# Altium PCB 58.13.0093_400_Rev00.PcbDoc (part 1 of 3)
Units mm, origin at the board's own origin, x right, y up, seen from the top; angles counter-clockwise.
Board outline 40 x 62.5 mm, 4 copper layers (Top Layer, Mid-Layer 1, Mid-Layer 2, Bottom Layer), stack 1.701 mm thick; 173 components, 104 nets, 583 pads, 329 vias.
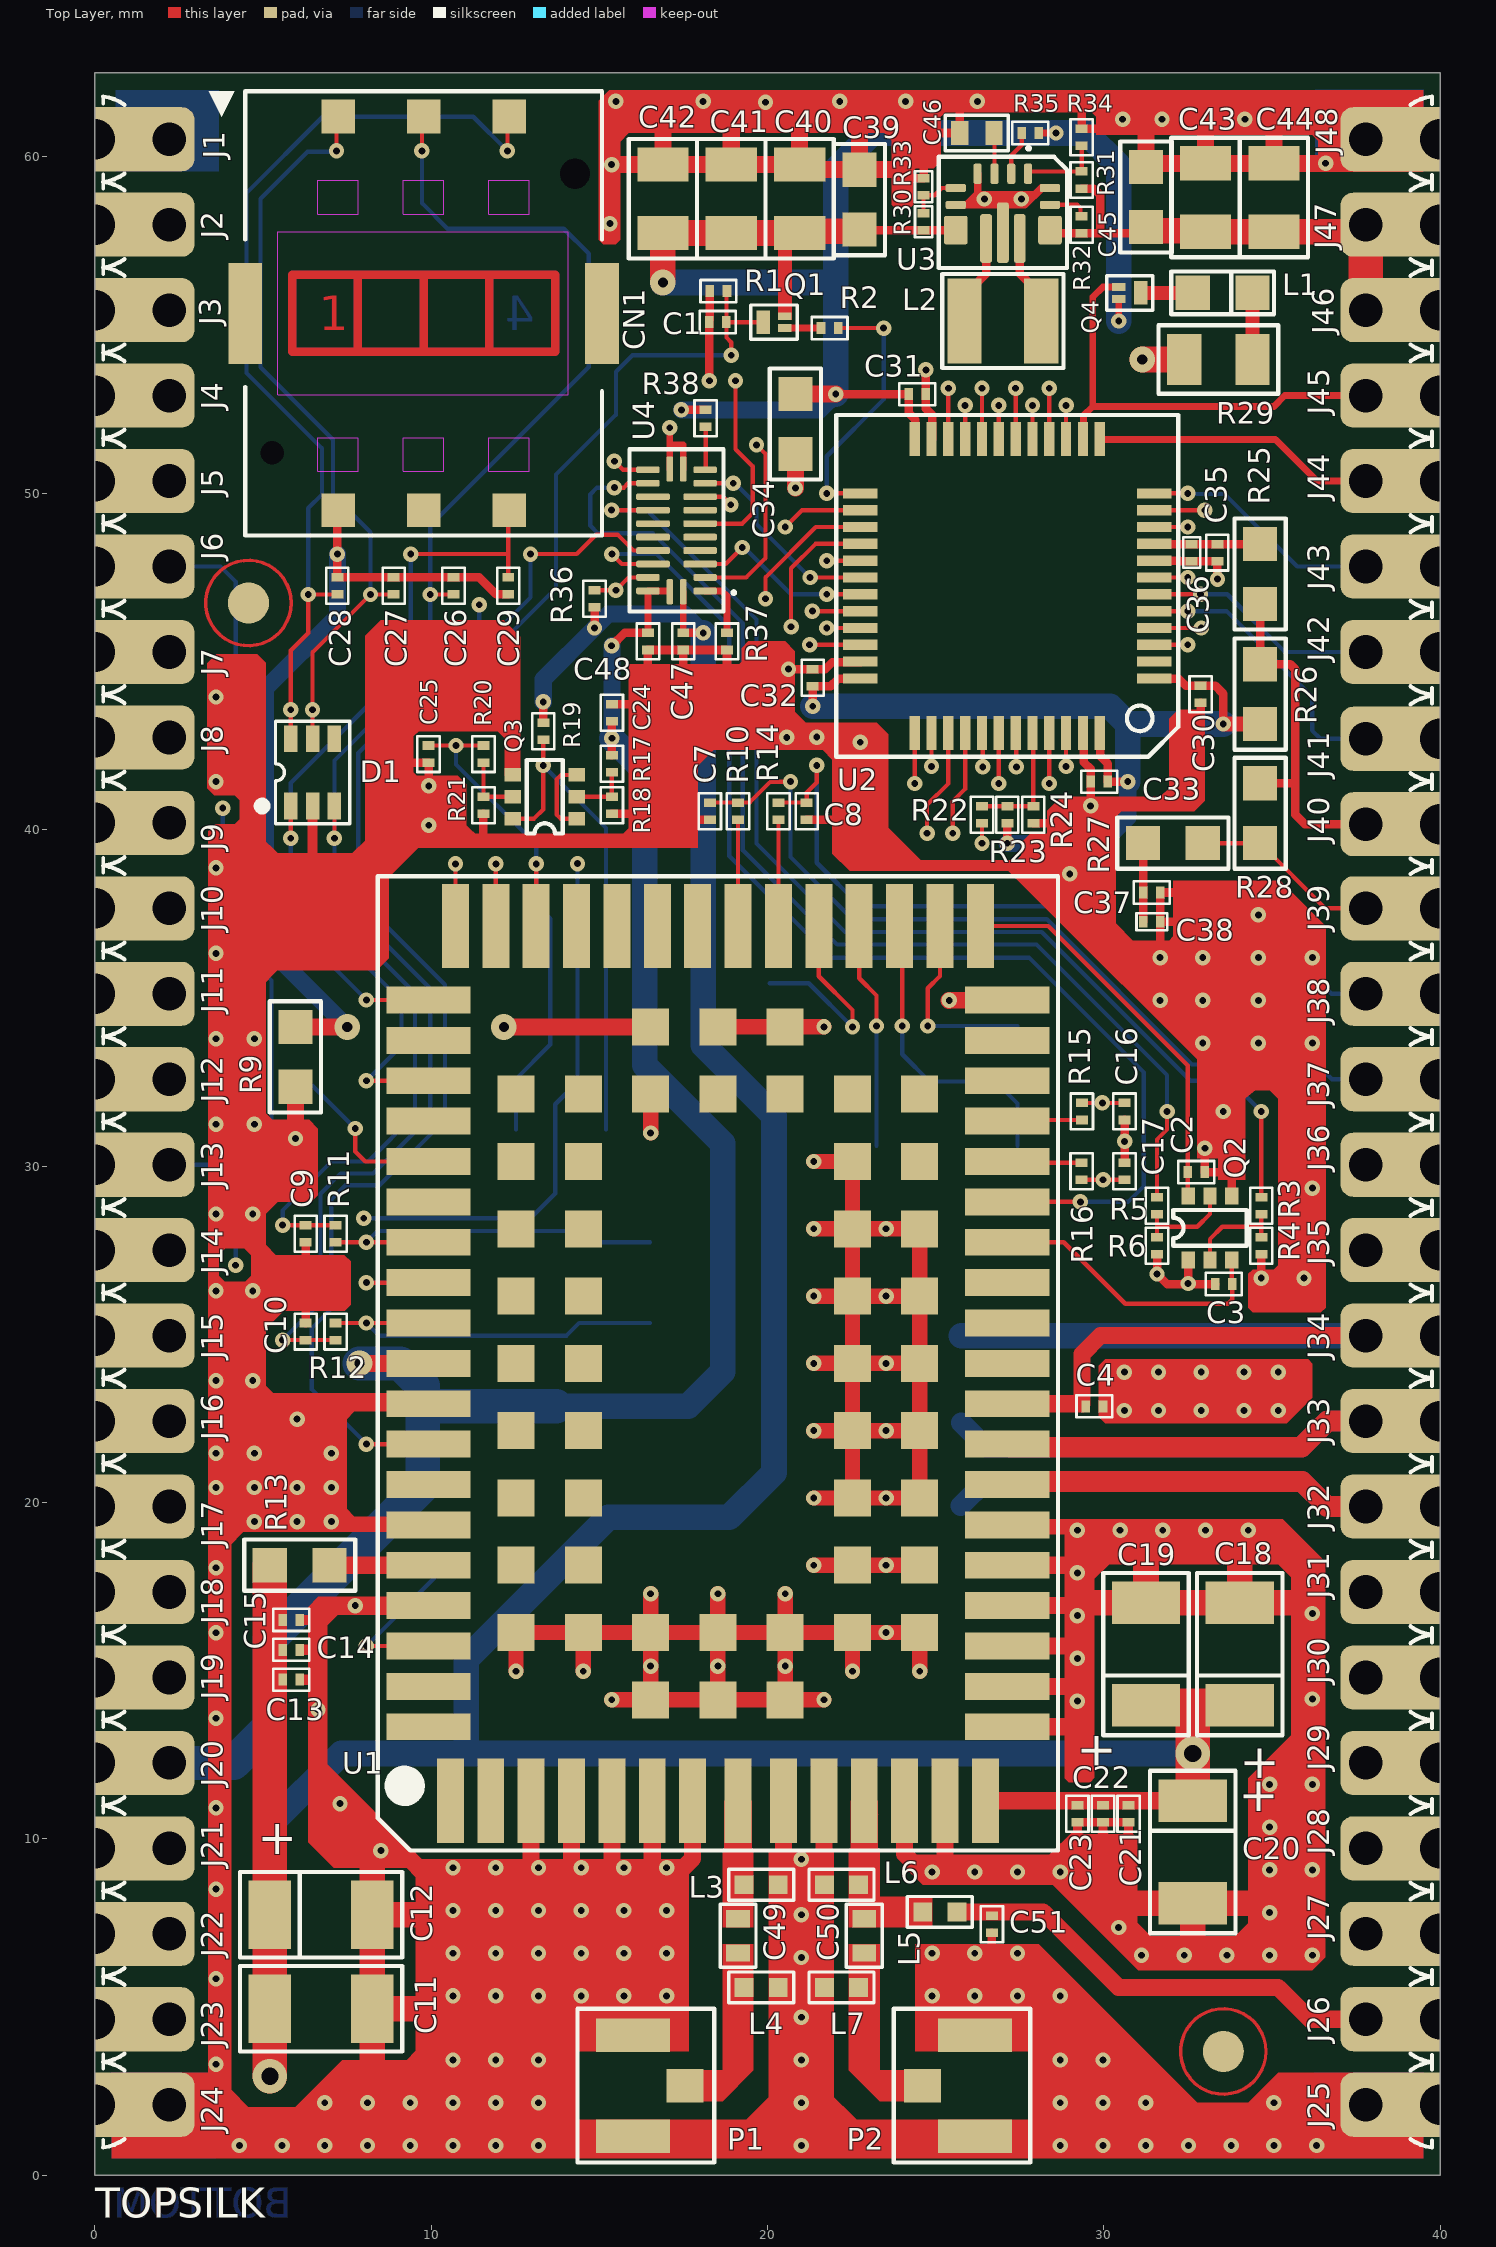
[diagram p0: Top Layer view]
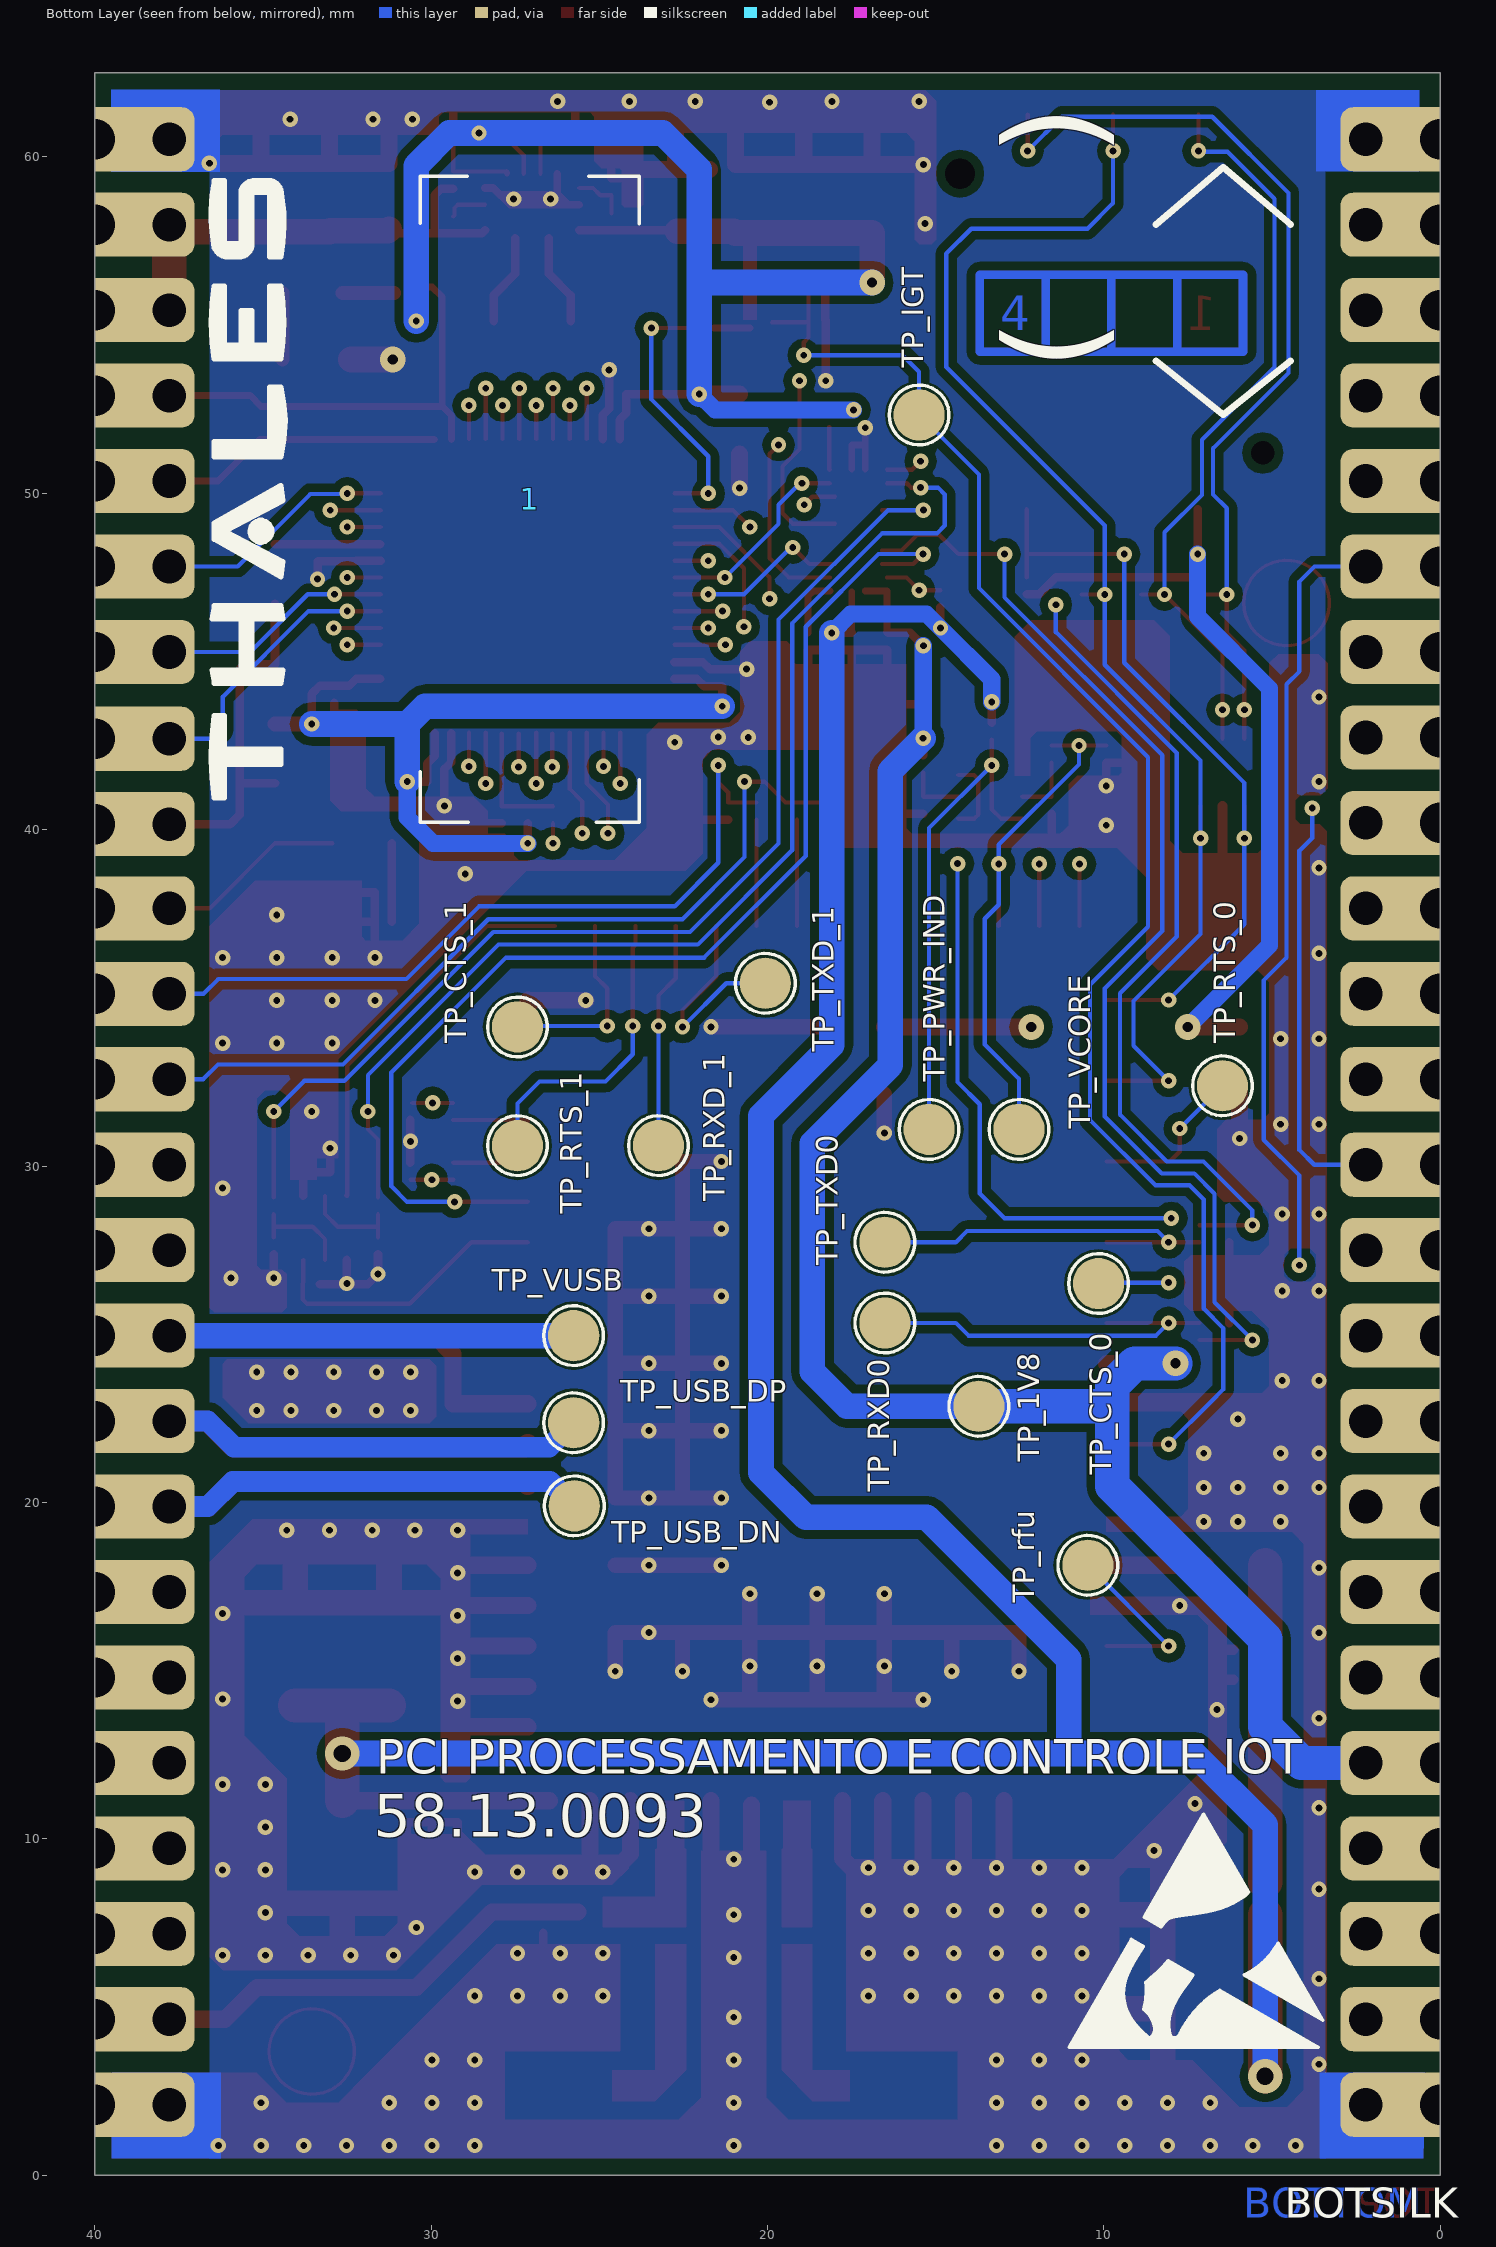
[diagram p1: Bottom Layer view, seen from below]
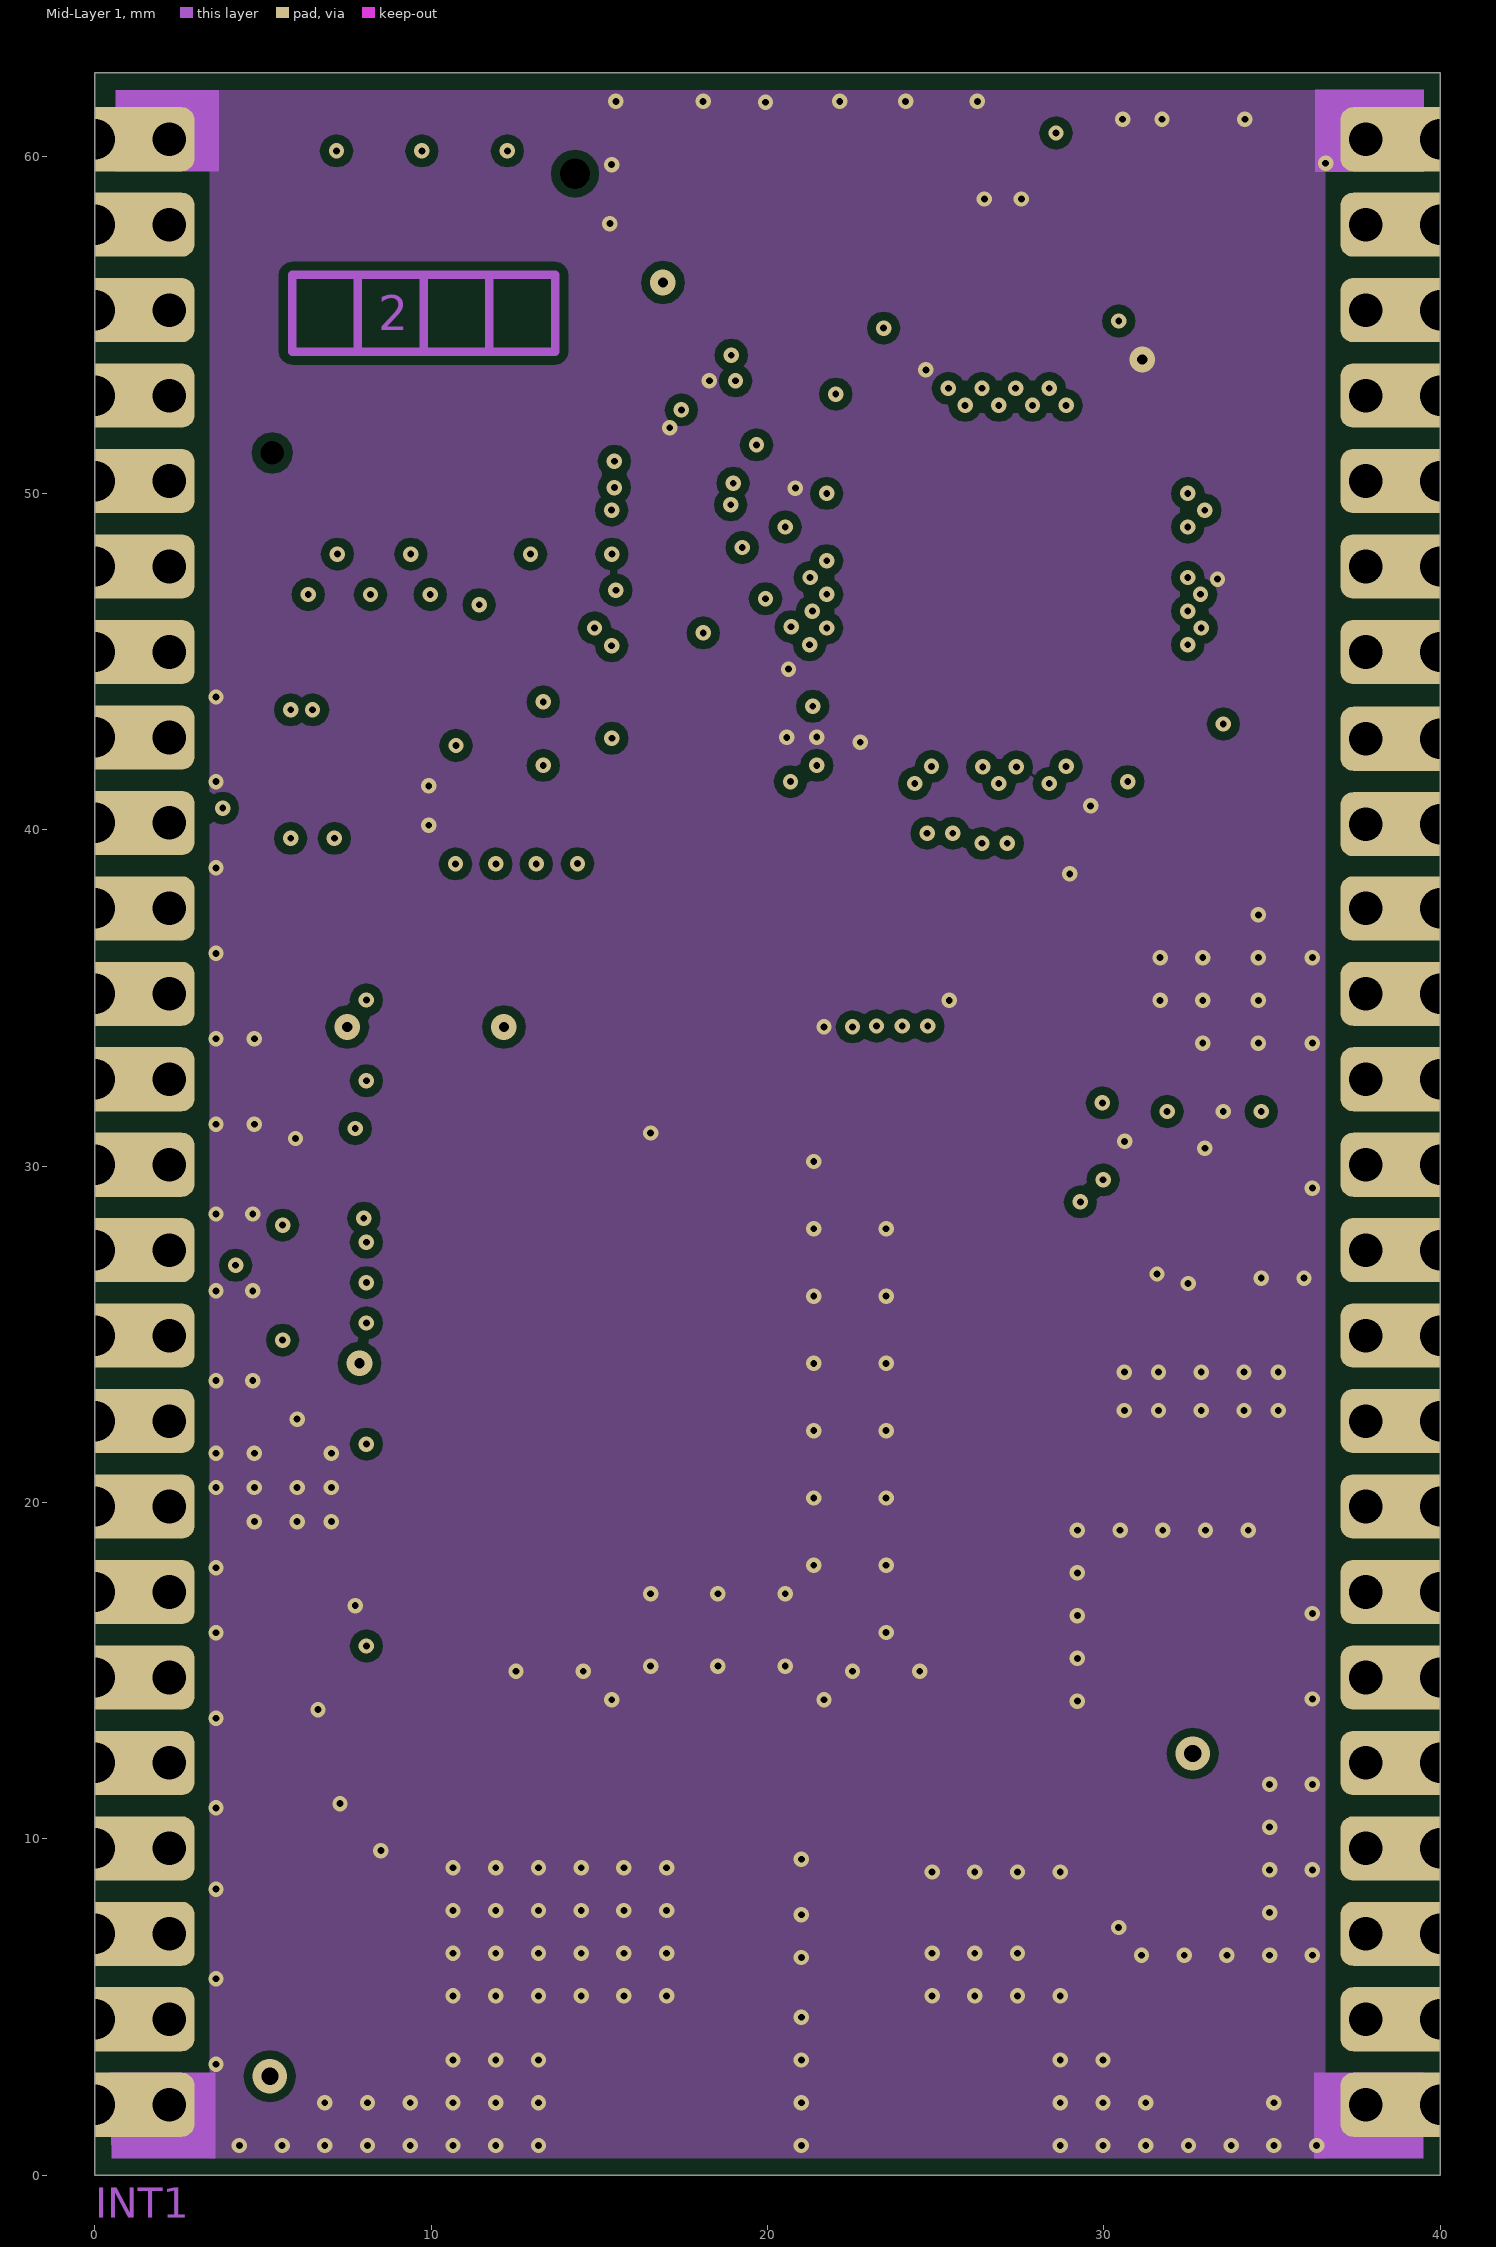
[diagram p2: Mid-Layer 1]
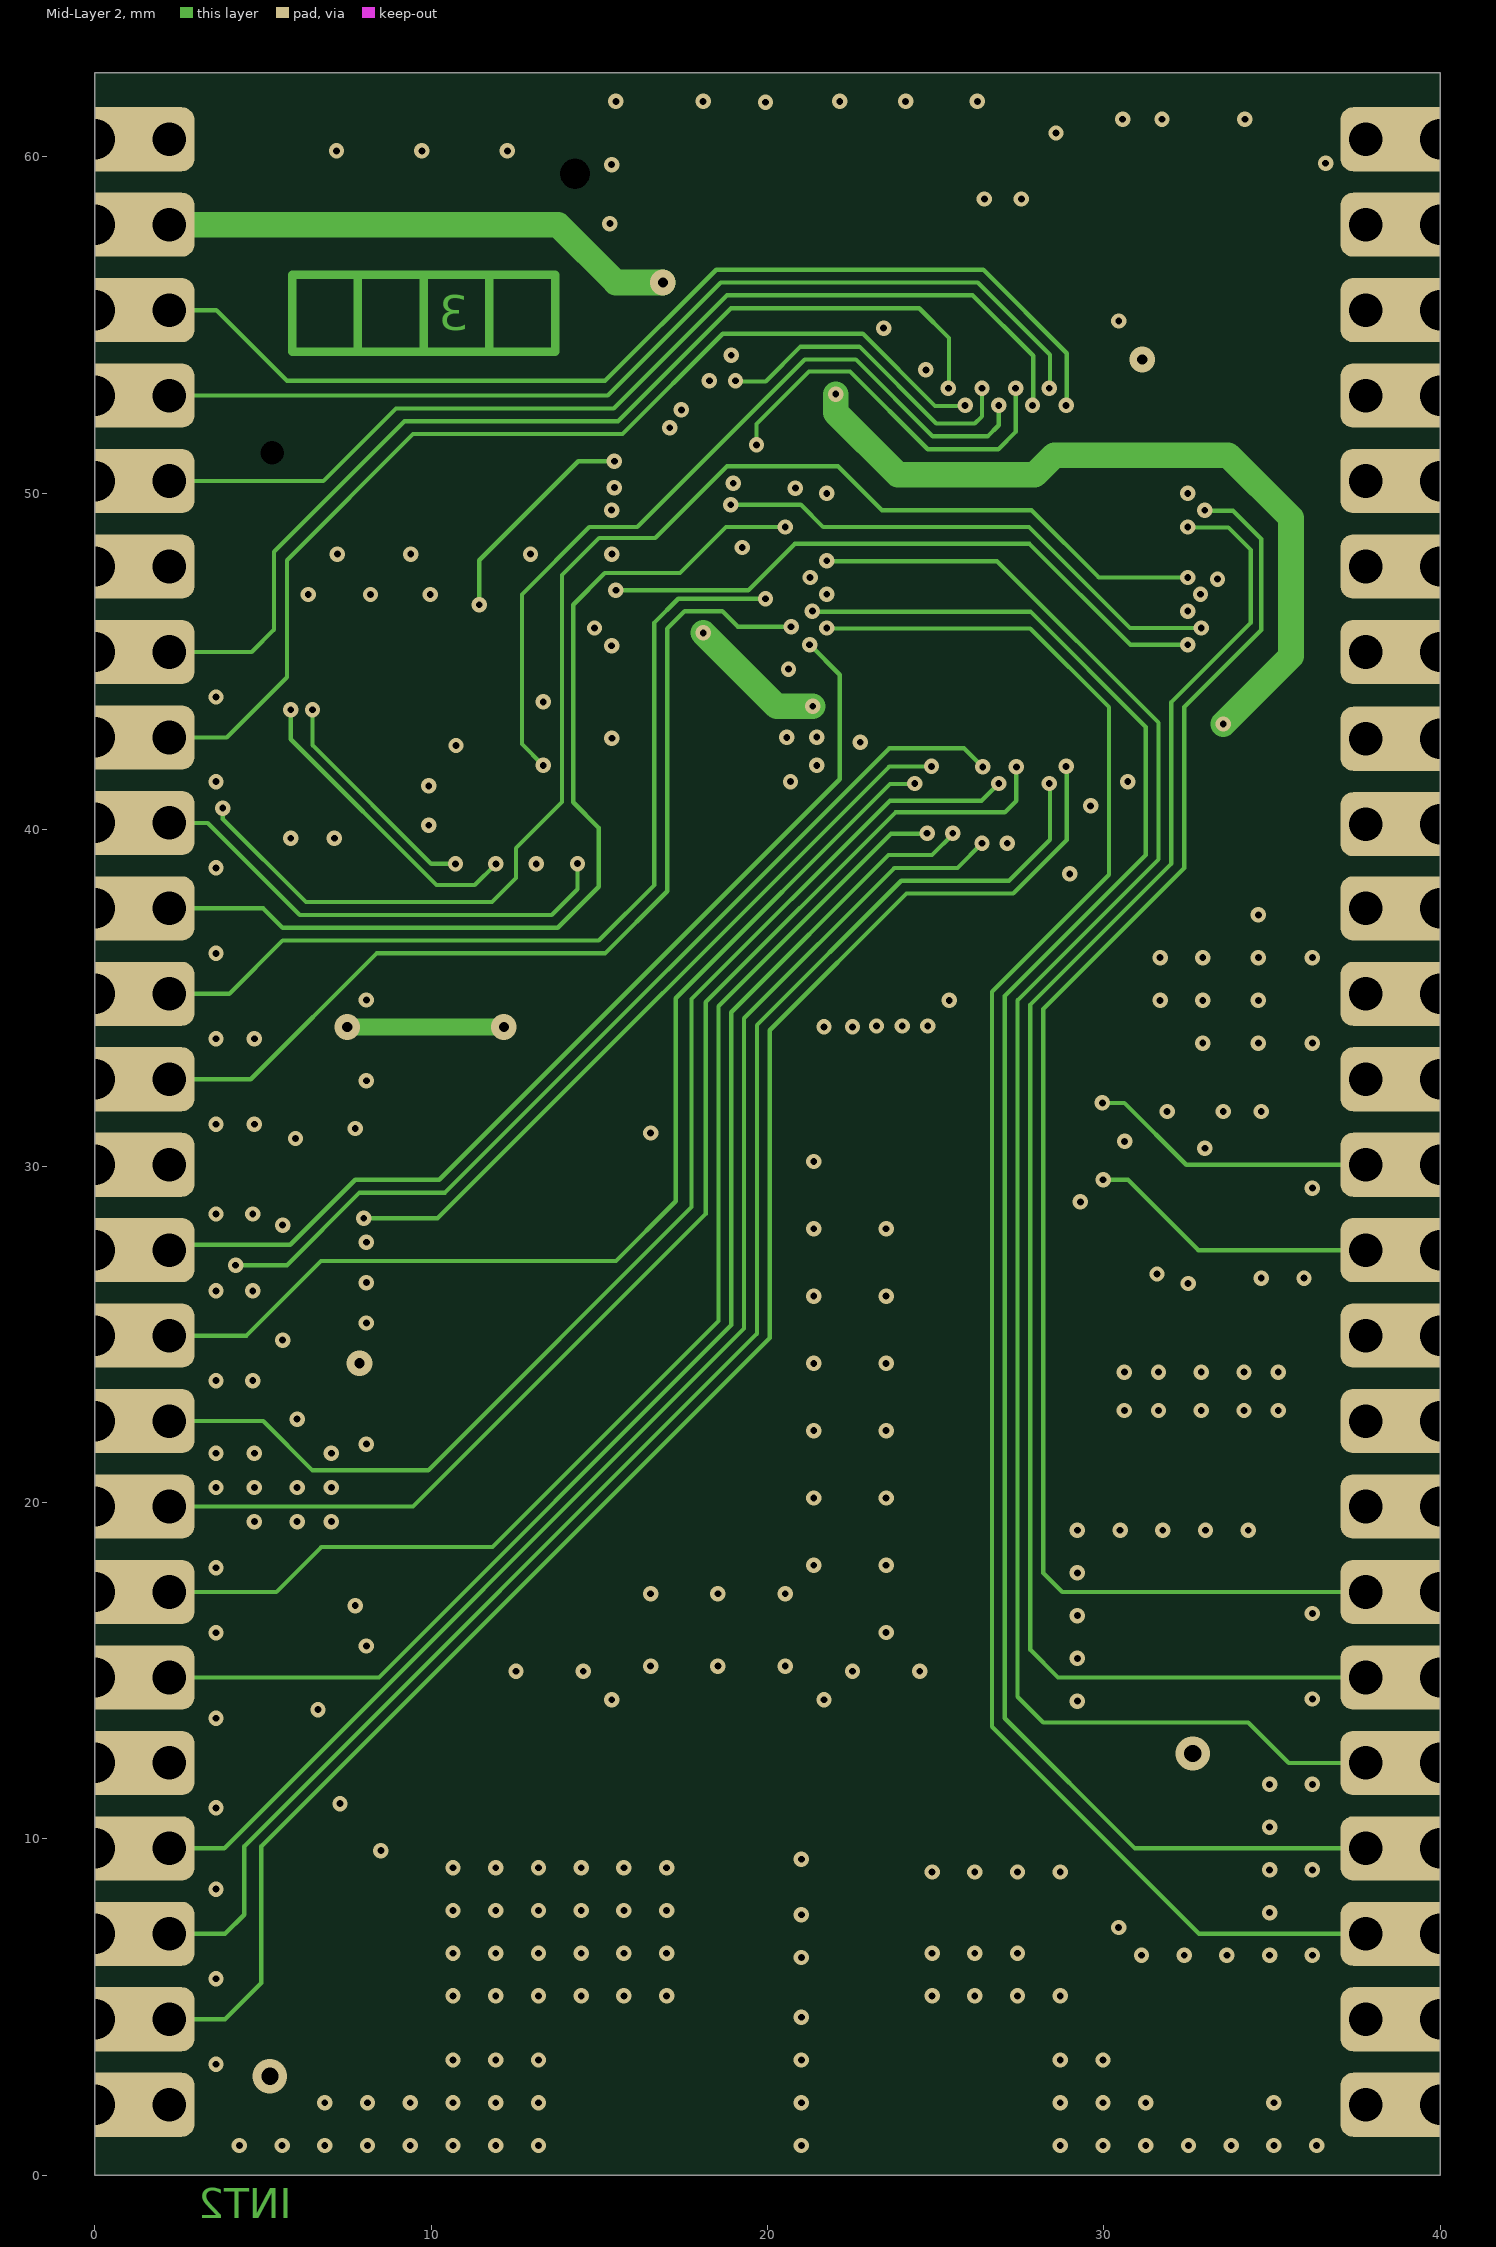
[diagram p3: Mid-Layer 2]
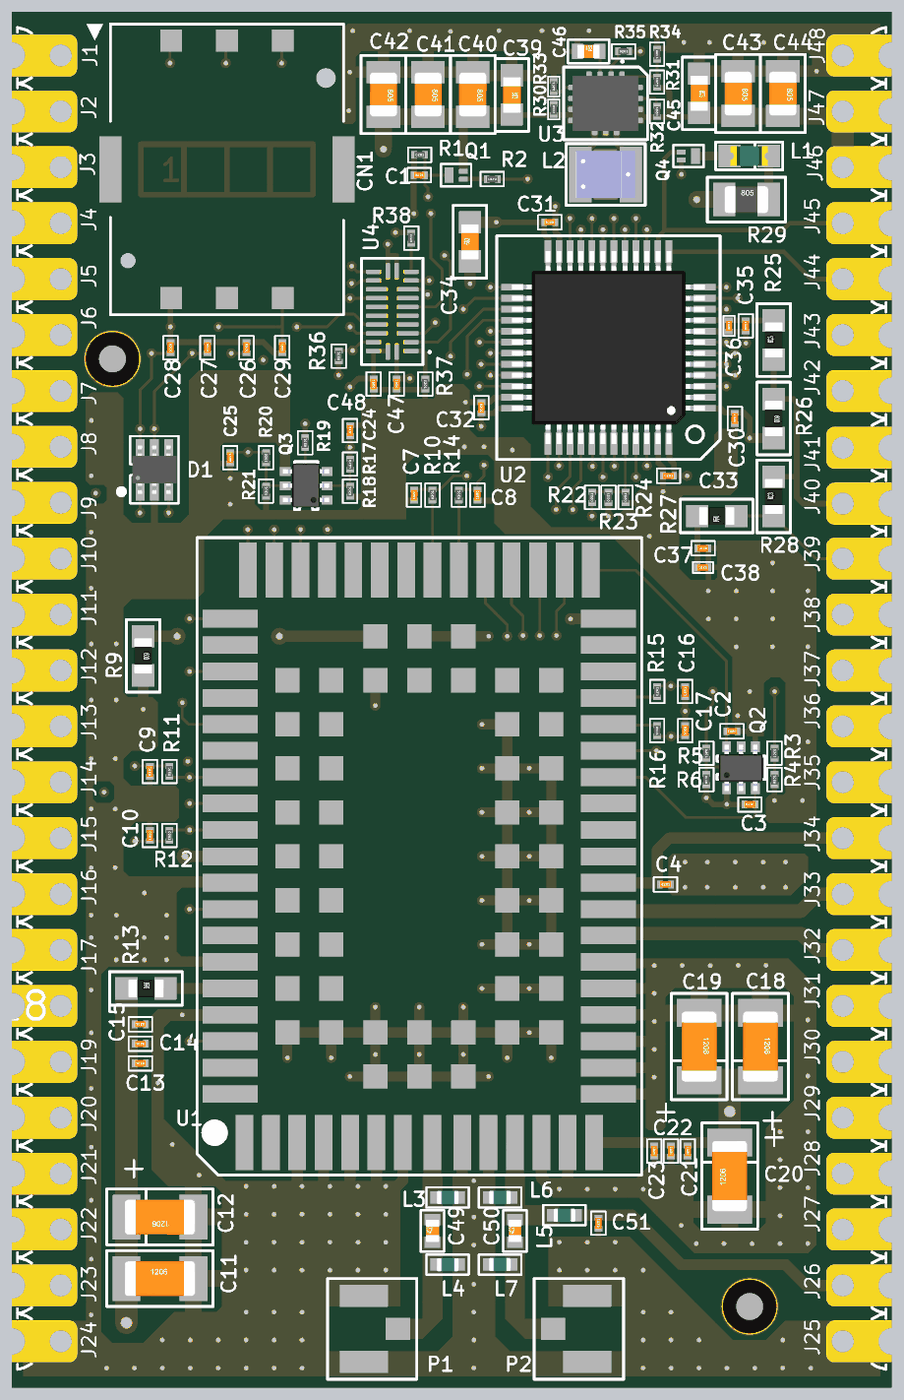
[diagram p6: 3D render of the assembled board from above, using the file's embedded part models]

## Layer stack, top to bottom
Top Solder, Top Mask: solder mask 0.035, Solder Resist, Dk 3.5
Top Layer: signal copper 0.0384
Dielectric1: core 0.508, FR-4, Dk 4.8
Mid-Layer 1: signal copper 0.012
Dielectric2: prepreg 0.5842, FR-4, Dk 4.2
Mid-Layer 2: signal copper 0.012
Dielectric3: core 0.508, FR-4, Dk 4.2
Bottom Layer: signal copper 0.0384
Bottom Solder, Bot Mask: solder mask 0.0102, Solder Resist, Dk 3.5

## Board outline
0,0 40,0 40,62.5 0,62.5

## Design rules (kind name [scope] priority, off if disabled: settings)
Clearance Clearance_POLYGONO [(InPolygonClass('All Polygons'))] p1: gap=0.254 ignorepadtopadclearanceinfootprint=FALSE except(0: Arc-Hole Track-Hole SMDPad-Hole THPad-Hole Via-Hole Fill-Hole Poly-Hole Region-Hole Text-Hole)
Clearance [All] p2: gap=0.127 ignorepadtopadclearanceinfootprint=FALSE
ComponentClearance [All] p1: gap=0 collisioncheckmode=3 verticalgap=0 showdistances=FALSE
DiffPairsRouting "Schematic Differential Pairs Routing_3" [InNet('USB_D_P')] p1: maxlimit=0.406 minlimit=0.406 mostfreqgap=0.406 toplayer_minwidth=0.615 toplayer_maxwidth=0.615 toplayer_prefwidth=0.615 midlayer1_minwidth=0.615 midlayer1_maxwidth=0.615 midlayer1_prefwidth=0.615 midlayer2_minwidth=0.615 midlayer2_maxwidth=0.615 midlayer2_prefwidth=0.615 bottomlayer_minwidth=0.615 bottomlayer_maxwidth=0.615 bottomlayer_prefwidth=0.615 maxuncoupledlength=12.7
DiffPairsRouting "Schematic Differential Pairs Routing_2" [InNet('USB_D_N')] p2: maxlimit=0.254 minlimit=0.406 mostfreqgap=0.406 toplayer_minwidth=0.615 toplayer_maxwidth=0.615 toplayer_prefwidth=0.615 midlayer1_minwidth=0.615 midlayer1_maxwidth=0.615 midlayer1_prefwidth=0.615 midlayer2_minwidth=0.615 midlayer2_maxwidth=0.615 midlayer2_prefwidth=0.615 bottomlayer_minwidth=0.615 bottomlayer_maxwidth=0.615 bottomlayer_prefwidth=0.615 maxuncoupledlength=12.7
DiffPairsRouting [All] p3: maxlimit=0.254 minlimit=0.127 mostfreqgap=0.127 toplayer_minwidth=0.622 toplayer_maxwidth=0.622 toplayer_prefwidth=0.622 midlayer1_minwidth=0.622 midlayer1_maxwidth=0.622 midlayer1_prefwidth=0.622 midlayer2_minwidth=0.622 midlayer2_maxwidth=0.622 midlayer2_prefwidth=0.622 bottomlayer_minwidth=0.622 bottomlayer_maxwidth=0.622 bottomlayer_prefwidth=0.622 maxuncoupledlength=12.7
HoleSize [All] p1: absolutevalues=TRUE maxlimit=5.08 minlimit=0.025 maxpercent=80.000 minpercent=20.000
HoleToHoleClearance [All] p1: gap=0 allowstackedmicrovias=TRUE
MinimumSolderMaskSliver [All] p1: minsoldermaskwidth=0
PlaneClearance [All] p1: clearance=0.635
PlaneConnect PlaneConnect_1 [ISVIA] p1: planeconnectstyle=Direct reliefexpansion=0.508 reliefentries=4 reliefconductorwidth=0.254 reliefairgap=0.254
PlaneConnect [All] p2: planeconnectstyle=Relief reliefexpansion=0.508 reliefentries=4 reliefconductorwidth=0.508 reliefairgap=0.254
PolygonConnect Isvia [Isvia] p1: connectstyle=Direct reliefconductorwidth=0.254 reliefentries=4 polygonreliefangle="90 Angle" airgapwidth=0.254
PolygonConnect [All] p2: connectstyle=Relief reliefconductorwidth=0.508 reliefentries=4 polygonreliefangle="90 Angle" airgapwidth=0.381
RoutingCorners [All] p1: cornerstyle=45-Degree minsetback=0.635 maxsetback=0.635
RoutingVias RoutingVias_ISVIA [ISVIA] p1: holewidth=0.305 width=0.61 viastyle="Through Hole" minholewidth=0.203 minwidth=0.457 maxholewidth=1.016 maxwidth=2.032
RoutingVias [All] p2: holewidth=0.305 width=0.762 viastyle="Through Hole" minholewidth=0.203 minwidth=0.508 maxholewidth=0.508 maxwidth=1.27
SilkToSilkClearance [All] p1: silktosilkclearance=0
SilkToSolderMaskClearance SilkscreenOverComponentPads [IsPad] p1: minsilkscreentomaskgap=0 clearancetoexposedcopper=TRUE
SolderMaskExpansion [All] p1: expansion=0 istentingtop=FALSE
Width [All] p1: maxlimit=3.048 minlimit=0.003 preferedwidth=0.127
20 further rules are at their usual default settings.

## Classes and differential pairs
component class "SIM Card": C26 C27 C28 C29 CN1 D1
component class "POWER SUPPLY": C39 C40 C41 C42 C43 C44 C45 C46 L2 R30 R31 R32 R33 R34 R35 U3
component class MCU: C30 C31 C32 C33 C34 C35 C36 C37 C38 L1 Q4 R22 R23 R24 R25 R26 R27 R28 R29 U2
component class "LEVEL CONVERTER": C47 C48 R36 R37 R38 U4
component class EXS82: C1 C2 C3 C4 C7 C8 C9 C10 C11 C12 C13 C14 C15 C16 C17 C18 C19 C20 C21 C22 C23 C24 C25 Q1 Q2 Q3 R1 R2 R3 R4 R5 R6 R9 R10 R11 R12 R13 R14 R15 R16 R17 R18 R19 R20 R21 TP_1V8 TP_CTS_0 TP_CTS_1 TP_IGT TP_PWR_IND TP_rfu TP_RTS_0 TP_RTS_1 TP_RXD0 TP_RXD_1 TP_TXD0 TP_TXD_1 TP_USB_DN TP_USB_DP TP_VCORE TP_VUSB U1
component class Antennas: C49 C50 C51 L3 L4 L5 L6 L7 P1 P2
component class 1-Main: FIDU1 FIDU2 FIDU3 J1 J2 J3 J4 J5 J6 J7 J8 J9 J10 J11 J12 J13 J14 J15 J16 J17 J18 J19 J20 J21 J22 J23 J24 J25 J26 J27 J28 J29 J30 J31 J32 J33 J34 J35 J36 J37 J38 J39 J40 J41 J42 J43 J44 J45 J46 J47 J48 q QR1
differential pair USB_D: +USB_D_P -USB_D_N
